# Altium PCB Bms_Master_RevA.PcbDoc (continued)
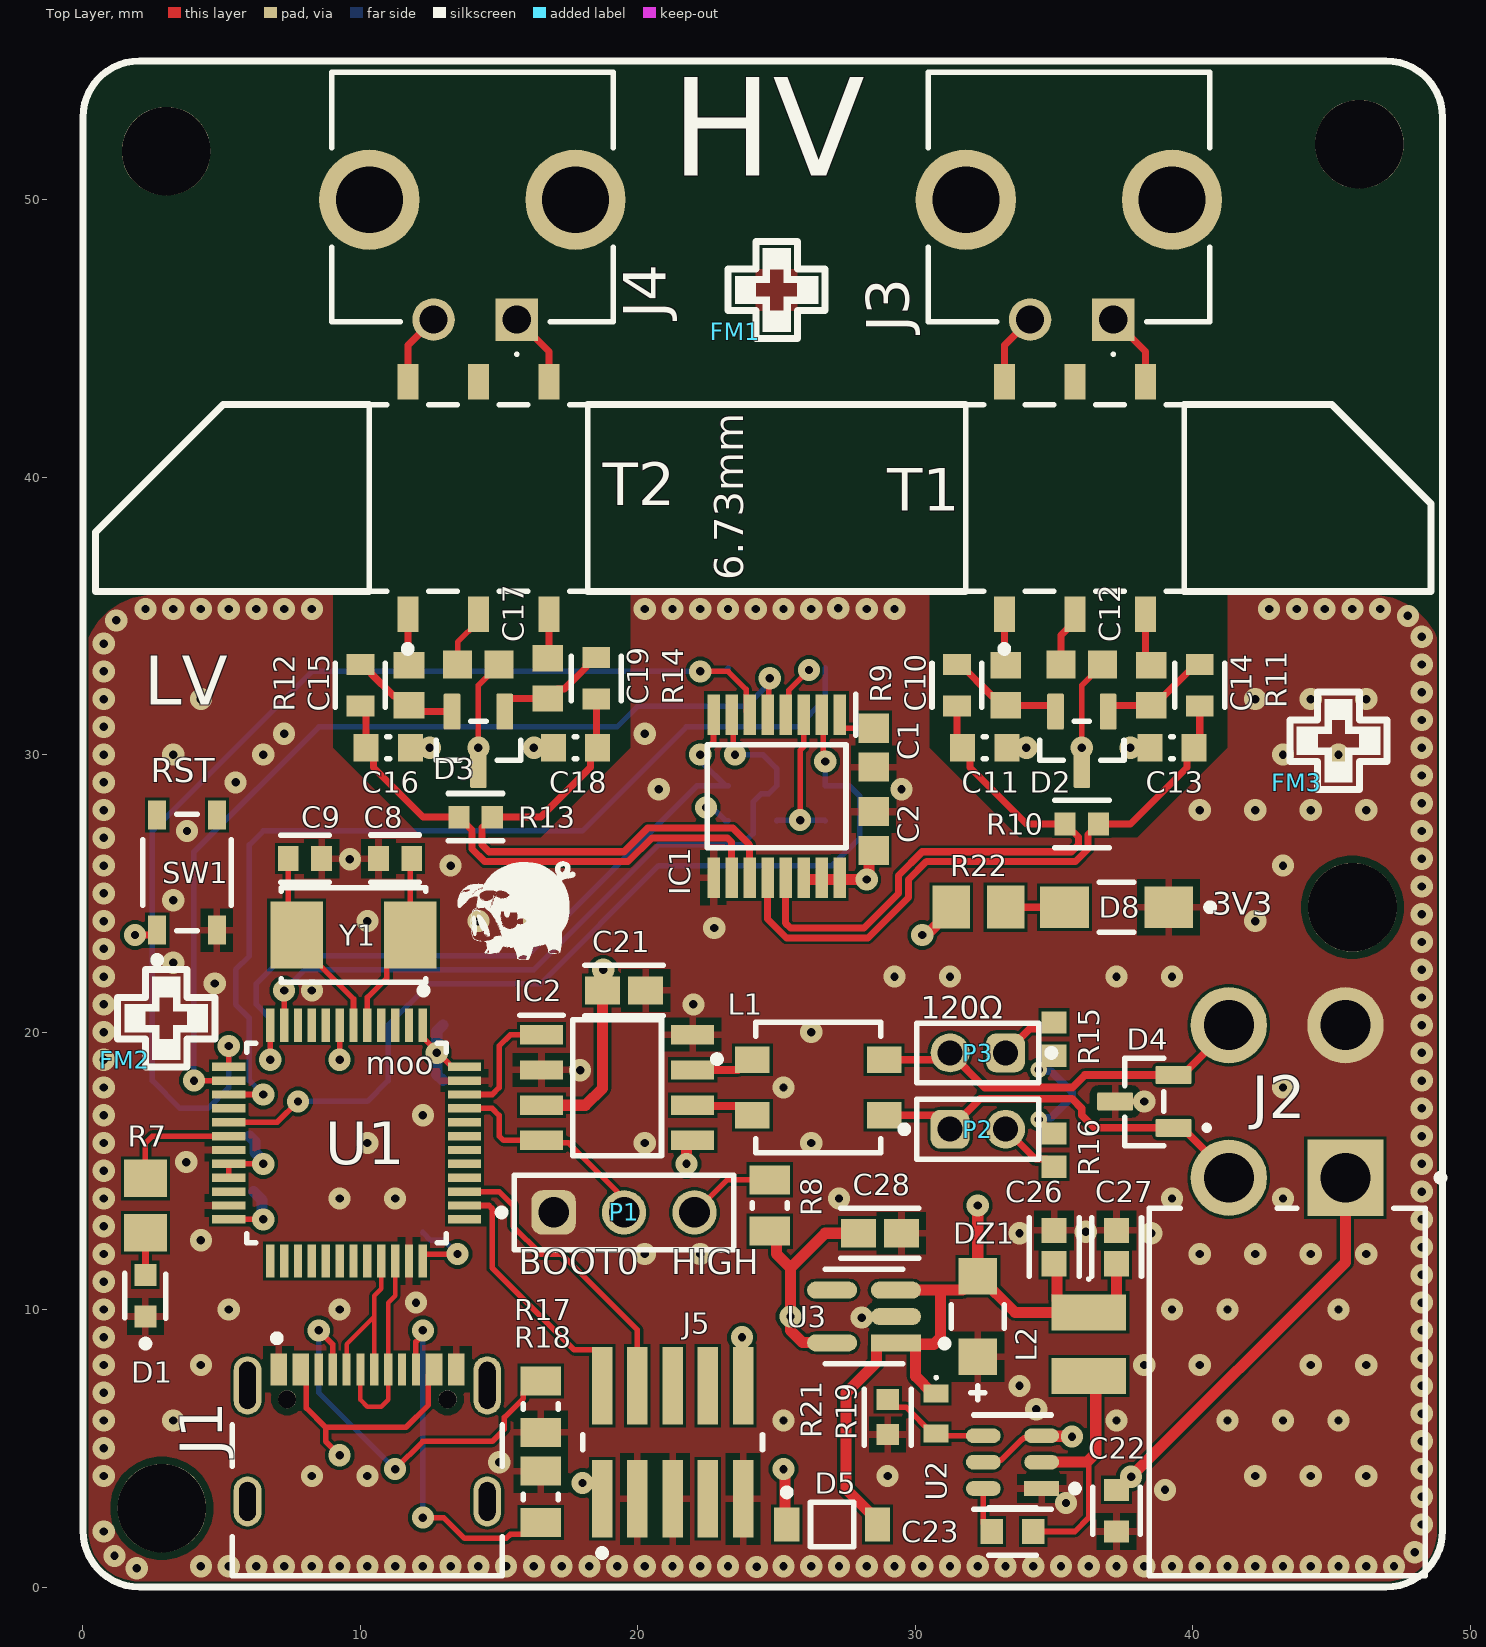
[diagram p0: Top Layer view]
## Part data (continued)
L1: library part CMP-2000-05389-2, "CMC 2.3A 2LN 900 OHM SMD", Case/Package=1808, Current=2A, Current Rating=2.3A, DC Resistance (DCR)=60mR, Insulation Resistance=10MR, Max Operating Temperature=85°C, Max Voltage Rating (DC)=50V, Min Operating Temperature=-40°C, Package Quantity=1, Test Frequency=100MHz, DC Current=2A, DC Resistance-Max=60mR, Depth=4.7mm, Element Configuration=Dual, Height=2mm, Impedance=900R, Lead Free="Lead Free", Length=0.185inch, Max Current Rating=2A, Max DC Current=2A, Mount="Surface Mount", Number of Lines=2, Number of Pins=4, Packaging="Tape and Reel", Radiation Hardening=No, REACH SVHC="No SVHC", RoHS Compliant=Yes, Series=ACM, Termination=Flat, Voltage Rating=50V, Voltage Rating (DC)=50V, Width=4.5mm
L2: "Inductor", Manufacturer_Name="TAIYO YUDEN", Datasheet Link=https://ds.yuden.co.jp/TYCOMPAS/ap/specSheet?pn=LCXHF3030QKT4R7MNR, Height=1.5mm, Manufacturer_Part_Number=LCXHF3030QKT4R7MNR
P1: library part CMP-1502-01062-3, Color=Black, Contact Resistance=20mΩ, Current Rating=3A, Max Operating Temperature=105°C, Min Operating Temperature=-40°C, Operating Supply Voltage=250V, Connector Type="Male Pin", Contact Material=Copper, Contact Mating Length=5.9944mm, Contact Plating=Gold, Gender=Male, Height=8.94mm, Lead Free="Lead Free", Lead Pitch=2.54mm, Mount="Through Hole", NexarPartId=32855521, Number Of Contacts=3, Number of Pins=3, Number of Positions=3, Number of Rows=1, Orientation=Vertical, Packaging=Bulk, Pitch=2.54mm, REACH SVHC=Unknown, RoHS=Compliant, Termination=Solder, Voltage Rating=250V
P2 P3: library part CMP-1502-00956-4, Contact Resistance=20mΩ, Current Rating=2A, Max Operating Temperature=105°C, Min Operating Temperature=-40°C, Operating Supply Voltage=200V, Contact Material=Gold, Gender=Male, Height=6.35mm, Lead Pitch=2mm, NexarPartId=61924778, Number Of Contacts=2, Number of Pins=2, Number of Rows=1, Orientation=Vertical, RoHS=Non-Compliant, Voltage Rating=200V
R1 R2: library part CMP-02407-008119-1, "RES SMD 100 OHM 1% 1/8W 0603", Case Code (Imperial)=0603, Case Code (Metric)=1608, Max Operating Temperature=175°C, Min Operating Temperature=-55°C, Power Rating=125mW, Resistance=100kR, Tolerance=1%, Voltage Rating=75V, Case/Package=0603, Composition="Thin Film", Height=0.45mm, Length=1.55mm, Packaging="Tape and Reel", Weight=6.7E-05oz, Width=0.85mm
R3 R4 R5 R6 R21: library part CMP-03211-004414-1, "CRGP 0603 10K 1%", Ambient Temperature Range High=+70°C, Manufacturer=TE, Package=CRGP0603, Power Rating=0.25W, Resistance=10KΩ, Temperature="-55°C to +155°C", Temperature Coefficient=±100ppm/°C, Temperature Range High=+155°C, Temperature Range Low=-55°C, Tolerance=0.01, Voltage Rating=50V, Automotive=No, Category=Res, ComponentLink2Description=Datasheet, ComponentLink2URL=https://www.te.com/commerce/DocumentDelivery/DDEController?Action=srchrtrv&DocNm=9-1773463-9&DocType=DS&DocLang=English, Composition="Thick Film", Device Class L1="Passive Components", Device Class L2=Resistors, Device Class L3="Chip SMD Resistors", Digikey Description="CRGP 0603 10K 1%", Height=0.55mm, Ipc Land Pattern Name=RESC16080X45, Lead Free=Yes, Manufacturer Part Number=CRGP0603F10K, Mouser Description="Res, 10K, 1%, 0.25W, 0603, Thick Film", Octopart=https://octopart.com/crgp0603f10k-te+connectivity-91018721, RoHS=TRUE, Series=CRGP
R7 R22: library part CMP-2001-04375-5, "Chip Resistor, 1 KOhm, +/- 1%, 0.125 W, -55 to 155 degC, 0805 (2012 Metric), RoHS, Tape and Reel", Manufacturer=Panasonic, Max Operating Temperature="155 degC", Min Operating Temperature="-55 degC", Package Quantity=1, Voltage Rating="150 V", ComponentLink1Description="Manufacturer URL", ComponentLink1URL=http://www.panasonic.com/, ComponentLink2Description=Datasheet, ComponentLink2URL=http://industrial.panasonic.com/cdbs/www-data/pdf/RDA0000/AOA0000C86.pdf, DatasheetVersion=04/2015, Height="0.6 mm", Length="2 mm", Mount="Surface Mount", Mounting Technology="Surface Mount", PackageDescription="2-Pin Surface Mount Device, Body 2 x 1.25 mm", PackageReference=0805, Packaging="Cut Tape", Parameter 1=1k, REACH SVHC=Yes, RoHSCompliant=true
R8 R17 R18: library part CMP-2001-02431-1, Manufacturer="KOA Speer", Parameter 1=5k1, Part Number=RK73H2ATTD5101F
R9 R11 R12 R14: library part CMP-02407-009504-1, "RES Thick Film, 49.9Ω, 1%, 0.33W, 100ppm/°C, 0603", Case/Package=0603, Power Rating=100mW, Resistance=49.9R, Tolerance=1%, Lead Free="Lead Free"
R10 R13: library part CMP-03211-002621-1, "RES SMD 1.0KΩ 1% 1/16W 0603", Manufacturer="TE Connectivity", Package=CPF0603, Power Rating=0.063W, Resistance=1.0KΩ, Temperature="-55°C to +155°C", Temperature Coefficient=50ppm/°C, Temperature Range High=+155°C, Temperature Range Low=-55°C, Tolerance=1%, Voltage Rating=50V, Automotive=No, Category=Res, ComponentLink2Description=Datasheet, ComponentLink2URL=https://www.te.com/commerce/DocumentDelivery/DDEController?Action=showdoc&DocId=Data+Sheet%7F1773200%7FM%7Fpdf%7FEnglish%7FENG_DS_1773200_M.pdf%7F3-1676481-2, Composition="Thin Film", Device Class L1="Passive Components", Device Class L2=Resistors, Device Class L3="Chip SMD Resistors", Height=0.55mm, Ipc Land Pattern Name=RESC15580X45, Lead Free=Yes, Manufacturer Part Number=CPF0603F1K0C1, Octopart=https://octopart.com/cpf0603f1k0c1-te+connectivity-42013134, octopart_url=https://octopart.com/cpf0603f1k0c1-te+connectivity-42013134, Packaging="1k Reel", RoHS=TRUE, Series=CPF
R15 R16: library part CMP-2000-00102-1, Manufacturer=Panasonic, Parameter 1=60ohm, Part Number=ERA3AEB620V
R19: "Resistor", Manufacturer_Name=Panasonic, Mouser Part Number=667-ERA-3ARB563V, Datasheet Link=https://industrial.panasonic.com/cdbs/www-data/pdf/RDM0000/AOA0000C307.pdf, Height=0.55mm, Manufacturer_Part_Number=ERA-3ARB563V, Mouser Price/Stock=https://www.mouser.co.uk/ProductDetail/Panasonic/ERA-3ARB563V?qs=ob%252BdNz2%252BYEjUxBvjNQsa6g%3D%3D
SW1: library part CMP-10040-000001-2, "SWITCH TACTILE SPST-NO 0.05A 16V", Case/Package=SMD/SMT, Color=Black, Current Rating=50mA, Max Operating Temperature=85°C, Min Operating Temperature=-40°C, Operating Force=160gf, Package Quantity=2900, Voltage Rating (DC)=16V, Actuator Type=Standard, Contact Plating=Silver, Depth=4.6mm, Illumination Type=Non-Illuminated, Lead Free="Lead Free", Length=3.2mm, Max Current Rating=50mA, Mechanical Life=150000Cycles, Mount="Surface Mount", Orientation=Straight, Packaging="Tape and Reel", RoHS Compliant=Yes, Switch Function=Off-Mom, Switch Travel=0.15mm, Termination=J-Bend, Throw Configuration=SPST
T1 T2: library part CMP-07264-000001-1, "BMS XFORMER 1-CH 1000V AECQ +125", Isolation Voltage=4300VDC, Manufacturer=Bourns, Package=0, Temperature="-40°C to +125°C", Temperature Range High=+125°C, Temperature Range Low=-40°C, Automotive=Yes, Automotive Grade="Grade 1", Category=Trans, ComponentLink2Description=Datasheet, ComponentLink2URL=https://www.bourns.com/docs/product-datasheets/SM91502AL.pdf, Device Class L1="Passive Components", Device Class L2=Transformers, Device Class L3=unset, Digikey Description="BMS XFORMER 1-CH 1000V AECQ +125", Height=5.72mm, Insertion Loss=-0.25dB, Lead Free=Yes, Manufacturer Part Number=SM91502ALE, Octopart=https://octopart.com/sm91502ale-bourns-95732123, Return Loss=-22dB, RoHS=TRUE, Standoff Height=0.13mm, Turns Ratio=1:1
U1: library part CMP-12105-000030-1, "MAINSTREAM ARM CORTEX-M4+ MCU 17", Ambient Temperature Range High=+85°C, Ambient Temperature Range Low=-40°C, Frequency=170MHz, Manufacturer=STMicroelectronics, Max Junction Temp=+105°C, Max Supply Voltage=3.6V, Min Supply Voltage=1.62V, Package=LQFP48-5B, Temperature="-40°C to +85°C", Automotive=No, Category=IC, ComponentLink2Description=Datasheet, ComponentLink2URL=https://www.st.com/resource/en/datasheet/stm32g431cb.pdf, Core Architecture="Arm Cortex-M4", Data Bus Width=32bits, Device Class L1="Integrated Circuits (ICs)", Device Class L2="Embedded Processors and Controllers", Device Class L3=Microcontrollers, Digikey Description="MAINSTREAM ARM CORTEX-M4+ MCU 17", Height=1.6mm, Interface=I2C,SPI,UART,USART,CAN,USB,LIN,IrDA,I2S, Lead Free=Yes, Manufacturer Part Number=STM32G431CBT6, Memory Size=128KBytes, Memory Type=FLASH, Number Of A/D Converters=1, Number Of Adc Channels=17, Number Of Cores=1, Number Of I2C Channels=3, Number Of I/Os=38, Number Of Pwm Channels=31, Number Of Spi Channels=3, Number Of Timers/Counters=14, Number Of Uart Channels=4, Number Of Usb Channels=1, Octopart=https://octopart.com/stm32g431cbt6-stmicroelectronics-98835224, Ram Size=32KBytes, RoHS=TRUE, Standoff Height=0.05mm, Temperature Range High=+85°C, Temperature Range Low=-40°C
U2: library part CMP-04918-000361-1, "IC REG BUCK ADJ 2A TSOT23-6", Case/Package=SOT, Max Input Voltage=17V, Max Operating Temperature=125°C, Max Output current=2A, Min Input Voltage=4.5V, Min Operating Temperature=-40°C, Output Voltage=7V, Quiescent Current=400uA, Switching Frequency=580kHz, Contact Plating=Tin, Lead Free="Lead Free", Mount="Surface Mount", Number of Outputs=1, Number of Pins=6, Operating Supply Voltage=17V, Output Type=Adjustable, RoHS Compliant=Yes
U3: library part CMP-04917-000347-1, "IC REG LINEAR 3.3V 300MA SOT23-5", RoHS Compliant=Yes
Y1: library part CMP-27762-004490-1, "Crystal 16MHz ±20ppm 18pF SMD-2 5mm x 3.2mm", Case/Package=SMD/SMT, ESR (Equivalent Series Resistance)=40R, Frequency=16MHz, Frequency Stability=30ppm, Frequency Tolerance=20ppm, Load Capacitance=18pF, Max Operating Temperature=85°C, Min Operating Temperature=-40°C, Operating Frequency="16 MHz", Package Quantity=1000, Resistor Type=Ceramic, Height=0.051inch, Lead Free="Lead Free", Length=0.197inch, Mount="Surface Mount", Number of Pins=2, Packaging="Tape and Reel", RoHS Compliant=Yes, Series=ABM3, Series Resistance=40R, Termination=SMD/SMT, Tolerance=20ppm, Width=0.126inch

## Free pads (board coordinates)
  round 3.2 hole 3.2: 6(2.843,2.841) 6(3,51.75) 6(45.75,24.5) 6(46,52)

## Via types
v1: diameter 0.8, hole 0.3, Top Layer to Bottom Layer, tented both sides, 267 vias
v2: diameter 0.6, hole 0.3, Top Layer to Bottom Layer, tented both sides, 2 vias

## Nets (pads, with @x,y where several pads share a name; then routed paths per layer and width w, separated by ;. In a path a pad name is that pad's centre, name@x,y a point inside that pad or via, vN(x,y) a via of type N, cw(c..) or ccw(c..) an arc to the next point about the centre after c; other vN are vias at no path point)
3V3: C3.1 C4.1 C5.1 C6.1 C7.2 C28.1 IC1.3 IC2.5 J5.1 R1.2 R2.2 R3.1 R8.2 R22.1 U1.1 U1.20 U1.21 U1.24 U1.36 U1.48 U3.5 | length 113.1
  Top Layer w0.2: U1.24 v1(6.5,13.25) ; U1.21 U1.20 v1(6.5,15.25) ; U1.36 12.25,11.95 12.3,12 v1(13.5,12) ; U1.1 12.25,19.8 12.75,19.3 v1(12.75,19.25) 12.8,19.25 13.3,18.75 U1.48 ; v1(25.847,27.641) 25.847,30.153 25.975,30.281 IC1.3
  Top Layer w0.4: v1(18,3.75) 18.54,3.75 18.71,3.58 J5.1 ; v1(21.75,15.25) 21.75,15.945 21.9,16.095 IC2.5 ; R8.2 25,12.575 25,12 25.5,11.5 ; U3.5 26.986,8.814 25.936,8.814 25.5,9.25 v1(25.5,9.75) 25.5,11.5 ; C28.1 26.75,12.75 25.5,11.5 ; v1(30.25,23.5) 30.327,23.577 30.477,23.577 31.3,24.4 R22.1
  PWR+SIG w0.4: v1(6.5,15.25) v1(6.5,13.25) 7.75,12 v1(13.5,12) ; v1(18,3.75) 19.5,2.25 25.25,2.25 26.5,3.5 26.5,6.071 25.5,7.071 v1(25.5,9.75) ; v1(21.75,15.25) 22.75,15.25 25.5,12.5 v1(25.5,9.75) ; v1(22.452,28.092) 23.972,28.092 25.135,26.929 ; v1(30.25,23.5) 30.234,23.5 30,23.734 30,25.5 27.859,27.641 v1(25.847,27.641) 25.135,26.929 ; v1(13.5,12) 13.5,18.5 v1(12.75,19.25) 14.5,21 16.25,21 20.75,25.5 24.5,25.5 25.135,26.135 25.135,26.929 ; v1(13.5,12) 15.75,9.75 v1(25.5,9.75)
  Bottom Layer w0.2: C7.2 12.532,12.495 13.005,12.495 v1(13.5,12) ; v1(22.452,28.092) 22.567,27.977 22.794,27.977 23.151,27.621 R2.2 ; R3.1 25.018,27.641 v1(25.847,27.641) 26.73,27.641 R1.2
  Bottom Layer w0.4: C3.1 6.2,16.05 6.2,15.658 6.5,15.358 v1(6.5,15.25) ; C4.1@6.15,14.25 6.456,13.944 6.456,13.294 v1(6.5,13.25) ; C5.1 12.75,18.473 v1(12.75,19.25) 12.75,20.027 C6.1
5V: C2.2 C21.1 C26.1 C27.1 D5.2 DZ1.2 IC1.14 IC1.15 IC1.16 IC2.3 L2.1 R19.1 U3.1 U3.3 | length 62.2
  Top Layer w0.4: IC2.3 18.115,17.365 18.723,17.973 C21.1 18.75,21.527 v1(18.75,22.25) ; IC1.14 25.975,25.525 26,25.5 v1(28.25,25.5) 28.327,25.577 28.327,26.377 C2.2 ; D5.2 28.635,2.405 27.5,3.54 27.5,7 28.598,8.098 28.598,8.694 28.704,8.8 U3.1 ; U3.3 30.91,10.7 ; U3.1@29.898,8.8 30.004,8.694 30.004,7.596 30.625,6.975 R19.1 ; U3.1@30.004,8.75 30.676,8.75 30.91,8.984 30.91,10.7 ; v1(32.25,13.75) DZ1.2 32.2,11.2 31.7,10.7 30.91,10.7 ; DZ1.2@32.3,11.2 33.6,9.9 L2.1@35.55,9.9 ; C26.1 35.1,11.549 35.1,10.35 L2.1@35.55,9.9 ; C27.1 37.25,10.35 36.8,9.9 L2.1 L2.1@35.55,9.9
  PWR+SIG w0.4: v1(18.75,22.25) 26.5,22.25 27.5,21.25 ; v1(28.25,25.5) 28.25,22 27.5,21.25 ; v1(32.25,13.75) 30.5,13.75 27.5,16.75 27.5,21.25
12V: C22.1 J2.1 U2.3 U2.5 | length 21
  Top Layer w0.2: U2.5 32.513,4.564 33.077,4.564 33.82,5.307 33.843,5.307 33.923,5.386 34.487,5.386 U2.3
  Top Layer w0.4: U2.3 34.565,5.435 35.631,5.435 v1(35.646,5.42) ; C22.1 37.3,3.5 v1(37.775,3.975) 45.5,11.7 J2.1
  PWR+SIG w0.8: v1(35.646,5.42) 36.33,5.42 v1(37.775,3.975)
CAN_N: D4.1 J2.2 L1.3 P2.1 | length 14.5
  Top Layer w0.278: L1.3 30.75,17 P2.1 32.345,17.595 35.65,17.595 36,17.245 36,17 36.45,16.55 D4.1 39.625,16.55 41.3,14.875 J2.2
CAN_P: D4.2 J2.4 L1.4 P3.2 | length 14.1
  Top Layer w0.278: L1.4 31,19 P3.2 32.5,18 35.653,18 36.103,18.45 D4.2 39.625,18.45 41.3,20.125 J2.4
COMH_0_N: C14.2 D2.1 R11.2 | length 4
  Top Layer w0.254: D2.1 36.95,31.602 37.123,31.775 C14.2 38.848,32.123 38.96,32.123 39.839,33.002 40.002,33.002 R11.2
COMH_0_P: C10.2 D2.2 R9.2 | length 4.3
  Top Layer w0.254: R9.2 31.625,33.25 32.752,32.123 32.902,32.123 C10.2 34.877,31.775 35.05,31.602 D2.2
COMH_1_N: C14.1 T1.3 | length 1.9
  Top Layer w0.257: T1.3 38.29,33.435 C14.1
COMH_1_P: C10.1 T1.1 | length 1.9
  Top Layer w0.254: T1.1 33.21,33.265 C10.1
COMH_N: C13.2 IC1.12 R10.2 R11.1 | length 22.5
  Top Layer w0.254: IC1.12 24.675,24.072 25.353,23.394 28.292,23.394 29.75,24.853 29.75,25.5 30.394,26.144 35.77,26.144 36.229,26.603 36.229,27.127 R10.2 37.75,27.5 39.785,29.535 39.785,29.985 C13.2 40.25,30.45 R11.1
COMH_P: C11.1 IC1.13 R9.1 R10.1 | length 21.5
  Top Layer w0.254: IC1.13 25.325,23.925 25.5,23.75 28.144,23.75 29.394,25 29.394,25.647 30.247,26.5 35.623,26.5 35.873,26.75 35.873,27.025 R10.1 34,27.5 31.965,29.535 31.965,29.985 C11.1 31.5,30.45 R9.1
COML_0_N: C19.2 D3.1 R14.2 | length 4.3
  Top Layer w0.254: D3.1 15.2,31.852 15.373,32.025 C19.2 17.098,32.373 17.359,32.373 18.127,33.141 18.127,33.252 18.375,33.5 R14.2@18.486,33.5
COML_0_P: C15.2 D3.2 R12.2 | length 4
  Top Layer w0.254: R12.2 10.125,33.25 10.373,33.002 10.373,32.935 11.185,32.123 11.402,32.123 C15.2 11.975,31.55 D3.2
COML_1_N: C19.1 T2.3 | length 1.6
  Top Layer w0.254: C19.1 16.79,33.515 T2.3
COML_1_P: C15.1 T2.1 | length 1.9
  Top Layer w0.257: T2.1 11.71,33.265 C15.1
COML_N: C18.2 IC1.11 R13.2 R14.1 | length 19.6
  Top Layer w0.254: R14.1 18.5,30.3 C18.2 18.285,29.985 18.285,29.535 16.5,27.75 R13.2 14.377,27.377 14.377,26.75 14.627,26.5 19.5,26.5 20.356,27.356 23.419,27.356 24.025,26.75 IC1.11
COML_P: C16.1 IC1.10 R12.1 R13.1 | length 18.8
  Top Layer w0.254: R12.1 10.2,31.55 C16.1 10.465,29.985 10.465,29.535 12.25,27.75 R13.1 14.021,27.275 14.021,26.603 14.479,26.144 19.647,26.144 20.503,27 23.226,27 23.375,26.851 IC1.10
CS: IC1.7 R3.2 U1.11 | length 26.5
  Top Layer w0.2: U1.11 v1(7.25,21.5) ; IC1.7 23.437,31.375 23.437,30.063 v1(23.5,30)
  Bottom Layer w0.2: v1(7.25,21.5) 8,22.25 16.25,22.25 20.75,26.75 23.75,26.75 24.151,27.151 24.151,28.299 24.45,28.598 24.721,28.598 R3.2 25,29.5 24.5,30 v1(23.5,30)
DIFH_N: J3.1 T1.4 | length 2.7
  Top Layer w0.254: J3.1 38.29,44.525 T1.4
DIFH_P: J3.2 T1.6 | length 2.6
  Top Layer w0.254: T1.6 33.21,44.755 J3.2
DIFL_N: J4.1 T2.4 | length 2.7
  Top Layer w0.254: J4.1 16.79,44.525 T2.4
DIFL_P: J4.2 T2.6 | length 2.6
  Top Layer w0.254: T2.6 11.71,44.755 J4.2
FB: R19.2 R21.2 U2.4 | length 4
  Top Layer w0.2: R21.2 29.279,6.471 29.679,6.471 30.625,5.525 R19.2 30.825,5.45 U2.4
GND: C1.2 C2.1 C3.2 C4.2 C5.2 C6.2 C7.1 C8.2 C9.2 C11.2 C12.1 C13.1 C16.2 C17.1 C18.1 C20.2 C21.2 C22.2 C26.2 C27.2 C28.2 D1.1 D2.3 D3.3 D4.3 D8.1 DZ1.1 IC1.9 IC2.2 IC2.8 J1.A1-B12 J1.B1-A12 J2.3 J5.3 J5.5 J5.9 P1.1 R4.2 R5.2 R6.2 R17.1 R18.1 R21.1 SW1.3 U1.19 U1.23 U1.35 U1.47 U2.1 U3.2 | length 6.7
  Top Layer w0.2: v1(14.25,30.25) 14.25,32.5 14.575,32.825 14.575,32.85 14.975,33.25 C17.1 ; v1(36,30.25) 36,32.5 36.325,32.825 36.325,32.85 36.725,33.25 C12.1
  other v1: 1.94,0.677 24.284,0.725 4.25,0.75 5.25,0.75 6.25,0.75 7.25,0.75 8.25,0.75 9.25,0.75 10.25,0.75 11.25,0.75 12.25,0.75 13.25,0.75 14.25,0.75 15.25,0.75 16.25,0.75 17.25,0.75 18.25,0.75 19.25,0.75 20.25,0.75 21.25,0.75 22.25,0.75 23.25,0.75 25.25,0.75 26.25,0.75 27.25,0.75 28.25,0.75 29.25,0.75 30.25,0.75 31.25,0.75 32.25,0.75 33.25,0.75 34.25,0.75 35.25,0.75 36.25,0.75 37.25,0.75 38.25,0.75 39.25,0.75 40.25,0.75 41.25,0.75 42.25,0.75 43.25,0.75 44.25,0.75 45.25,0.75 46.25,0.75 47.25,0.75 1.137,1.121 48,1.25 0.75,2 48.25,2.25 35.431,3.03 48.25,3.25 39,3.5 0.75,4 8.25,4 10.25,4 29,4 42.25,4 44.25,4 46.25,4 48.25,4.25 15,4.5 0.75,5 48.25,5.25 0.75,6 3.25,6 25.25,6 37.25,6 41.25,6 43.25,6 45.25,6 48.25,6.25 34.358,6.404 0.75,7 33.75,7.25 48.25,7.25 0.75,8 4.25,8 38.25,8 40.25,8 44.25,8 46.25,8 48.25,8.25 0.75,9 48.25,9.25 28.071,9.708 0.75,10 5.25,10 9.25,10 39.25,10 41.25,10 45.25,10 12,10.25 48.25,10.25 0.75,11 48.25,11.25 0.75,12 20.25,12 22.25,12 40.25,12 42.25,12 44.25,12 46.25,12 48.25,12.25 4.25,12.5 33.75,12.75 38.5,12.75 36.14,12.808 0.75,13 48.25,13.25 0.75,14 9.25,14 11.25,14 27.25,14 39.25,14 43.25,14 48.25,14.25 0.75,15 48.25,15.25 3.724,15.313 0.75,16 10.25,16 20.25,16 26.25,16 48.25,16.25 0.75,17 12.25,17 48.25,17.25 38.25,17.5 0.75,18 25.25,18 43.25,18 48.25,18.25 17.918,18.626 0.75,19 48.25,19.25 0.75,20 26.25,20 48.25,20.25 0.75,21 22,21 48.25,21.25 8.25,21.5 4.75,21.75 0.75,22 29.25,22 31.25,22 37.25,22 39.25,22 48.25,22.25 3.25,22.5 0.75,23 48.25,23.25 22.75,23.75 0.75,24 10.25,24 14.25,24 16.25,24 42.25,24 48.25,24.25 3.25,24.75 0.75,25 48.25,25.25 0.75,26 13.25,26 43.25,26 9.619,26.231 48.25,26.25 0.75,27 3.75,27.25 48.25,27.25 0.75,28 40.25,28 42.25,28 44.25,28 46.25,28 48.25,28.25 20.75,28.75 29.5,28.75 0.75,29 5.5,29 48.25,29.25 0.75,30 3.25,30 6.5,30 43.25,30 45.25,30 12.5,30.25 16.25,30.25 34,30.25 37.75,30.25 48.25,30.25 7.25,30.75 20.25,30.75 0.75,31 48.25,31.25 0.75,32 4.25,32 42.25,32 44.25,32 46.25,32 48.25,32.25 0.75,33 48.25,33.25 0.75,34 48.25,34.25 1.2,34.838 47.75,35 2.25,35.25 3.25,35.25 4.25,35.25 5.25,35.25 6.25,35.25 7.25,35.25 8.25,35.25 20.25,35.25 21.25,35.25 22.25,35.25 23.25,35.25 24.25,35.25 25.25,35.25 26.25,35.25 28.25,35.25 29.25,35.25 42.75,35.25 43.75,35.25 44.75,35.25 45.75,35.25 46.75,35.25 27.22,35.278
"HSE IN": C8.1 U1.5 Y1.1 | length 6.7
  Top Layer w0.2: U1.5 10.25,21.25 10.95,21.95 10.95,22.65 Y1.1 11.8,26.2 C8.1
"HSE OUT": C9.1 U1.6 Y1.2 | length 7
  Top Layer w0.2: C9.1 7.4,23.8 Y1.2 7.7,23.25 9.75,21.2 U1.6
"MCAN RX": IC2.4 P1.2 U1.45 | length 8
  Top Layer w0.2: U1.45 14.75,17.25 15,17 15,16.25 15.155,16.095 IC2.4 16.603,16.017 17.483,16.017 19.232,14.268 19.232,13.768 P1.2
"MCAN TX": IC2.1 U1.46 | length 4.5
  Top Layer w0.2: U1.46 14.75,17.75 15,18 15,19.5 15.405,19.905 IC2.1
MISO: IC1.5 R5.1 U1.14 | length 34.3
  Top Layer w0.2: v1(4,18.25) U1.14 ; IC1.5 24.713,31.475 24.713,32.713 v1(24.75,32.75)
  Bottom Layer w0.2: v1(4,18.25) 4,26.5 8.5,31 19.25,31 20,31.75 23.912,31.75 24.75,32.588 v1(24.75,32.75)
MOSI: IC1.4 R6.1 U1.15 | length 36.9
  Top Layer w0.2: U1.15 v1(6.5,17.75) ; IC1.4 25.431,31.544 25.431,32.319 v1(26.165,33.053)
  Bottom Layer w0.2: v1(6.5,17.75) 6,18.25 6,20.5 5.5,21 5.5,22.25 6,22.75 6,26.75 6.5,27.25 18,27.25 21.75,31 25.75,31 26.75,32 R6.1
NetC1_1: C1.1 IC1.1 | length 1.6
  Top Layer w0.2: IC1.1 27.275,31.075 27.4,30.95 C1.1
NetC12_2: C12.2 T1.2 | length 2
  Top Layer w0.254: C12.2 35.25,34.305 35.75,34.805 T1.2
NetC17_2: C17.2 T2.2 | length 2.1
  Top Layer w0.2: C17.2 13.5,34.055 14.25,34.805 T2.2
NetC20_1: C20.1 R15.1 R16.2 | length 4.8
  Top Layer w0.278: v2(34.448,16.852) 34.95,16.35 R16.2 ; v2(34.448,18.648) 34.95,19.15 R15.1
  Bottom Layer w0.278: v2(34.448,16.852) 34.51,16.913 34.888,16.913 35.65,17.675 C20.1 35.65,17.825 34.888,18.587 34.51,18.587 v2(34.448,18.648)
NetC23_1: C23.1 U2.6 | length 1.7
  Top Layer w0.2: U2.6 32.45,2.873 32.45,2.3 C23.1
NetD1_2: D1.2 R7.2 | length 1.5
  Top Layer w0.257: D1.2 R7.2
NetD8_2: D8.2 R22.2 | length 2.1
  Top Layer w0.257: R22.2 D8.2
NetIC2_6: IC2.6 L1.2 | length 2.3
  Top Layer w0.278: IC2.6 22.004,17.336 23.789,17.336 L1.2
NetIC2_7: IC2.7 L1.1 | length 2.3
  Top Layer w0.278: IC2.7 23.61,18.635 23.975,19 L1.1
NetJ1_A5: J1.A5 R17.2 | length 14.7
  Top Layer w0.2: v1(8.5,9.25) 9,8.75 J1.A5 ; v1(11.25,4.25) 12.25,5.25 14.75,5.25 15.187,5.687 15.187,6.112 15.875,6.8 15.875,7 16.3,7.425 R17.2
  Bottom Layer w0.2: v1(8.5,9.25) 8.5,7 v1(11.25,4.25)
NetJ1_B5: J1.B5 R18.2 | length 13.1
  Top Layer w0.2: J1.B5 12,8.838 12.25,9.088 v1(12.25,9.25) ; v1(12.25,2.5) 13,2.5 13.75,1.75 15.25,1.75 15.4,1.9 16.075,1.9 R18.2
  Bottom Layer w0.2: v1(12.25,2.5) v1(12.25,9.25)
NetP1_3: P1.3 R8.1 | length 3.2
  Top Layer w0.2: P1.3 23.215,14.675 R8.1
NetP2_2: P2.2 R16.1 | length 2.7
  Top Layer w0.257: P2.2 33.75,16.5 33.623,16.373 33.623,16.127 34.328,15.422 34.729,15.422 R16.1
NetP3_1: P3.1 R15.2 | length 2.2
  Top Layer w0.257: P3.1 34.12,20.12 34.77,20.12 R15.2
NFAULT: IC1.2 R1.1 U1.17 | length 33.7
  Top Layer w0.2: U1.17 7,16.75 v1(7.75,17.5) ; IC1.2 26.688,31.376 26.688,29.812 v1(26.75,29.75)
  Bottom Layer w0.2: v1(7.75,17.5) 10.25,17.5 11,18.25 11,20.25 12.5,21.75 16.5,21.75 20.75,26 27,26 28,27 28,28.5 27.621,28.879 R1.1 v1(26.75,29.75)
NRST: J5.10 SW1.1 U1.7 | length 43.6
  Top Layer w0.2: v1(9.25,19) U1.7
  Top Layer w0.257: v1(1.873,23.5) 2.5,23.5 SW1.1 ; v1(23.75,9) 23.77,8.98 23.77,7.27 J5.10
  PWR+SIG w0.257: v1(1.873,23.5) 1.873,17.127 2.75,16.25 5.25,16.25 ; v1(9.25,19) 9.25,17.5 8,16.25 5.25,16.25 ; v1(23.75,9) 15,9 12.75,11.25 6.75,11.25 5.25,12.75 5.25,16.25
"PCB LED": R7.1 U1.18 | length 4.4
  Top Layer w0.2: R7.1 2.25,16 2.5,16.25 U1.18
SCK: IC1.6 R4.1 U1.13 | length 40.8
  Top Layer w0.2: U1.13 v1(5.25,19.5) ; v1(22.25,33) 23.25,33 23.9,32.35 23.9,31.563 IC1.6
  Bottom Layer w0.2: v1(5.25,19.5) 5.25,18 4.5,17.25 3.5,17.25 2.5,18.25 2.5,27.25 8.25,33 v1(22.25,33) 23.127,33 R4.1
SPI_RDY: IC1.8 R2.1 U1.12 | length 27.3
  Top Layer w0.2: v1(6.75,19) U1.12 ; v1(22.25,30) 22.725,30.475 IC1.8
  Bottom Layer w0.2: v1(6.75,19) 6.75,20.5 6.25,21 6.25,21.75 7.25,22.75 16,22.75 22.129,28.879 R2.1@23.151,28.879 ; v1(22.25,30) 22.365,29.885 22.365,29.665 R2.1@23.151,28.879 ; R2.1 R2.1@23.151,28.879
SW: C23.2 L2.2 U2.2 | length 9.2
  Top Layer w0.2: C23.2 35.75,2 36.25,2.5 36.25,4.435 36.185,4.5
  Top Layer w0.4: U2.2 36.185,4.5 36.5,4.815 36.5,7.35 L2.2
SWDCLK: J5.4 U1.39 | length 10.8
  Top Layer w0.2: U1.39 15,14.25 15.5,13.75 15.5,13 16.5,12 17.25,12 19.98,9.27 J5.4
SWDIO: J5.2 U1.38 | length 9.5
  Top Layer w0.2: U1.38 14.633,13.75 14.75,13.633 14.75,11.5 17.705,8.545 18.44,8.545 18.71,8.275 J5.2
"USB 5V": D5.1 J1.A4-B9 J1.B4-A9 | length 27.9
  Top Layer w0.2: J1.A4-B9 8.05,7.64 8.05,6.45 8.75,5.75 ; v1(9.25,4.75) 8.75,5.25 8.75,5.75 ; J1.B4-A9 12.45,7.64 12.45,6.567 11.633,5.75 8.75,5.75
  Top Layer w0.4: v1(25.25,4.25) 25.308,4.192 25.308,2.307 D5.1
  PWR+SIG w0.8: v1(9.25,4.75) 10,5.5 24,5.5 v1(25.25,4.25)
USB_N: J1.A7 J1.B7 U1.33 | length 6.3
  Top Layer w0.161: J1.B7 9.5,8.75 10.5,9.75 ; J1.A7 10.5,9.75 ; U1.33 10.75,10.75 10.5,10.5 10.5,9.75
USB_P: J1.A6 J1.B6 U1.34 | length 7.4
  Top Layer w0.161: J1.A6 10,6.75 10.25,6.5 10.75,6.5 11,6.75 J1.B6 11,10.25 11.25,10.5 U1.34
pads on no net: J1. J1.1 J1.2 J1.3 J1.4 J1.A8 J1.B8 J3.MH1 J3.MH2 J4.MH1 J4.MH2 J5.6 J5.7 J5.8 SW1.2 SW1.4 T1.5 T2.5 U1.2 U1.3 U1.4 U1.8 U1.9 U1.10 U1.16 U1.22 U1.25 U1.26 U1.27 U1.28 U1.29 U1.30 U1.31 U1.32 U1.37 U1.40 U1.41 U1.42 U1.43 U1.44 U3.4

## Polygon pours and split planes (outlines as drawn)
no net on Top Layer "NONET_L-01_P-001" (solid, pour order 9): 24.25,47.5 24.25,46 25.75,46 25.75,47.5
GND on Top Layer "NONET_L-01_P-001" (solid, remove dead copper, pour order 5): 49,1.75 cw(c47.25,1.75) 47.25,0 2.25,0 cw(c2.25,2.25) 0,2.25 0,33.21 cw(c2.54,33.21) 2.54,35.75 46.46,35.75 cw(c46.46,33.21) 49,33.21 49,33
GND on GND "NONET_L-01_P-001" (solid, pour order 4): 49,1.75 cw(c47.25,1.75) 47.25,0 2.25,0 cw(c2.25,2.25) 0,2.25 0,33.21 cw(c2.54,33.21) 2.54,35.75 46.46,35.75 cw(c46.46,33.21) 49,33.21 49,33
GND on PWR+SIG "NONET_L-01_P-001" (solid, pour order 3): 49,1.75 cw(c47.25,1.75) 47.25,0 2.25,0 cw(c2.25,2.25) 0,2.25 0,33.21 cw(c2.54,33.21) 2.54,35.75 46.46,35.75 cw(c46.46,33.21) 49,33.21 49,33
GND on Bottom Layer "NONET_L-01_P-001" (solid, pour order 2): 49,1.75 cw(c47.25,1.75) 47.25,0 2.25,0 cw(c2.25,2.25) 0,2.25 0,33.21 cw(c2.54,33.21) 2.54,35.75 46.46,35.75 cw(c46.46,33.21) 49,33.21 49,33

## Other copper
Top Layer:
  pour cut-out: 9,36 9,30.25 12.25,27 16.5,27 19.75,30.25 19.75,36
  pour cut-out: 30.5,36 30.5,30.25 33.75,27 38,27 41.25,30.25 41.25,36
GND:
  pour cut-out: 30.5,36 30.5,30.25 33.75,27 38,27 41.25,30.25 41.25,36
  pour cut-out: 9,36 9,30.25 12.25,27 16.5,27 19.75,30.25 19.75,36
PWR+SIG:
  pour cut-out: 33.25,30.75 33.25,29.75 39.25,29.75 40.75,29.75 38,27 33.75,27 30.5,30.25 30.5,30.75
  pour cut-out: 41.25,30.75 30.5,30.75 30.5,36 41.25,36
Bottom Layer:
  pour cut-out: 30.5,36 30.5,30.25 33.75,27 38,27 41.25,30.25 41.25,36
  pour cut-out: 9,36 9,30.25 12.25,27 16.5,27 19.75,30.25 19.75,36

## Silkscreen, mask and mechanical layers (free items; w line width, h text height)
Top Overlay:
  drawing of 59 lines, arcs and shapes, not listed
  text "HV" at 21.2,49.7 h6.09
  text "6.73mm" at 24.154,36.281 h1.8 r90
  text "LV" at 2.2,31.2 h3.05
  text "RST" at 2.45,28.718 h1.49
  text "3V3" at 40.7,23.967 h1.39
  text "120Ω" at 30.2,20.217 h1.39
  text "moo" at 10.2,18.214 h1.39
  text "BOOT0" at 15.7,10.967 h1.52
  text "HIGH" at 21.2,10.967 h1.52
Top Solder:
  lines w0.8: 8.25,35.25 2.25,35.25 ccw(c2.25,33.6) 0.6,33.6 0.6,1.97 ccw(c1.4,1.97) 0.615,1.815 0.64,1.69 ccw(c1.424,1.848) 0.685,1.543 0.734,1.425 ccw(c1.472,1.733) 0.806,1.29 0.877,1.183 ccw(c1.541,1.629) 0.974,1.065 1.065,0.974 ccw(c1.629,1.541) 1.183,0.877 1.29,0.806 ccw(c1.733,1.472) 1.425,0.734 1.543,0.685 ccw(c1.848,1.424) 1.69,0.64 1.815,0.615 ccw(c1.97,1.4) 1.97,0.6 47.03,0.6 ccw(c47.03,1.4) 47.186,0.615 47.31,0.64 ; 20.25,35.25 29.25,35.25 ; 42.75,35.25 47.15,35.25 cw(c47.15,34) 48.4,34 48.4,1.97 cw(c47.6,1.97) 48.385,1.814 48.36,1.692 cw(c47.576,1.848) 48.315,1.542 48.267,1.426 cw(c47.528,1.733) 48.193,1.288 48.124,1.185 cw(c47.459,1.629) 48.025,1.064 ; 47.31,0.64 ccw(c47.152,1.424) 47.458,0.685 47.575,0.733 ccw(c47.267,1.472) 47.711,0.806 47.816,0.876 ccw(c47.371,1.541) 47.936,0.975 48.025,1.064 ; 47.31,0.64 47.31,0.64 ; 48.025,1.064 48.025,1.064
Bottom Solder:
  lines w0.8: 8.25,35.25 2.25,35.25 ccw(c2.25,33.6) 0.6,33.6 0.6,1.97 ccw(c1.4,1.97) 0.615,1.815 0.64,1.69 ccw(c1.424,1.848) 0.685,1.543 0.734,1.425 ccw(c1.472,1.733) 0.806,1.29 0.877,1.183 ccw(c1.541,1.629) 0.974,1.065 1.065,0.974 ccw(c1.629,1.541) 1.183,0.877 1.29,0.806 ccw(c1.733,1.472) 1.425,0.734 1.543,0.685 ccw(c1.848,1.424) 1.69,0.64 1.815,0.615 ccw(c1.97,1.4) 1.97,0.6 47.03,0.6 ccw(c47.03,1.4) 47.186,0.615 47.31,0.64 ; 20.25,35.25 29.25,35.25 ; 42.75,35.25 47.15,35.25 cw(c47.15,34) 48.4,34 48.4,1.97 cw(c47.6,1.97) 48.385,1.814 48.36,1.692 cw(c47.576,1.848) 48.315,1.542 48.267,1.426 cw(c47.528,1.733) 48.193,1.288 48.124,1.185 cw(c47.459,1.629) 48.025,1.064 ; 47.31,0.64 ccw(c47.152,1.424) 47.458,0.685 47.575,0.733 ccw(c47.267,1.472) 47.711,0.806 47.816,0.876 ccw(c47.371,1.541) 47.936,0.975 48.025,1.064 ; 47.31,0.64 47.31,0.64 ; 48.025,1.064 48.025,1.064